# Altium PCB ccd_bottom.PcbDoc (part 1 of 2) (continued)
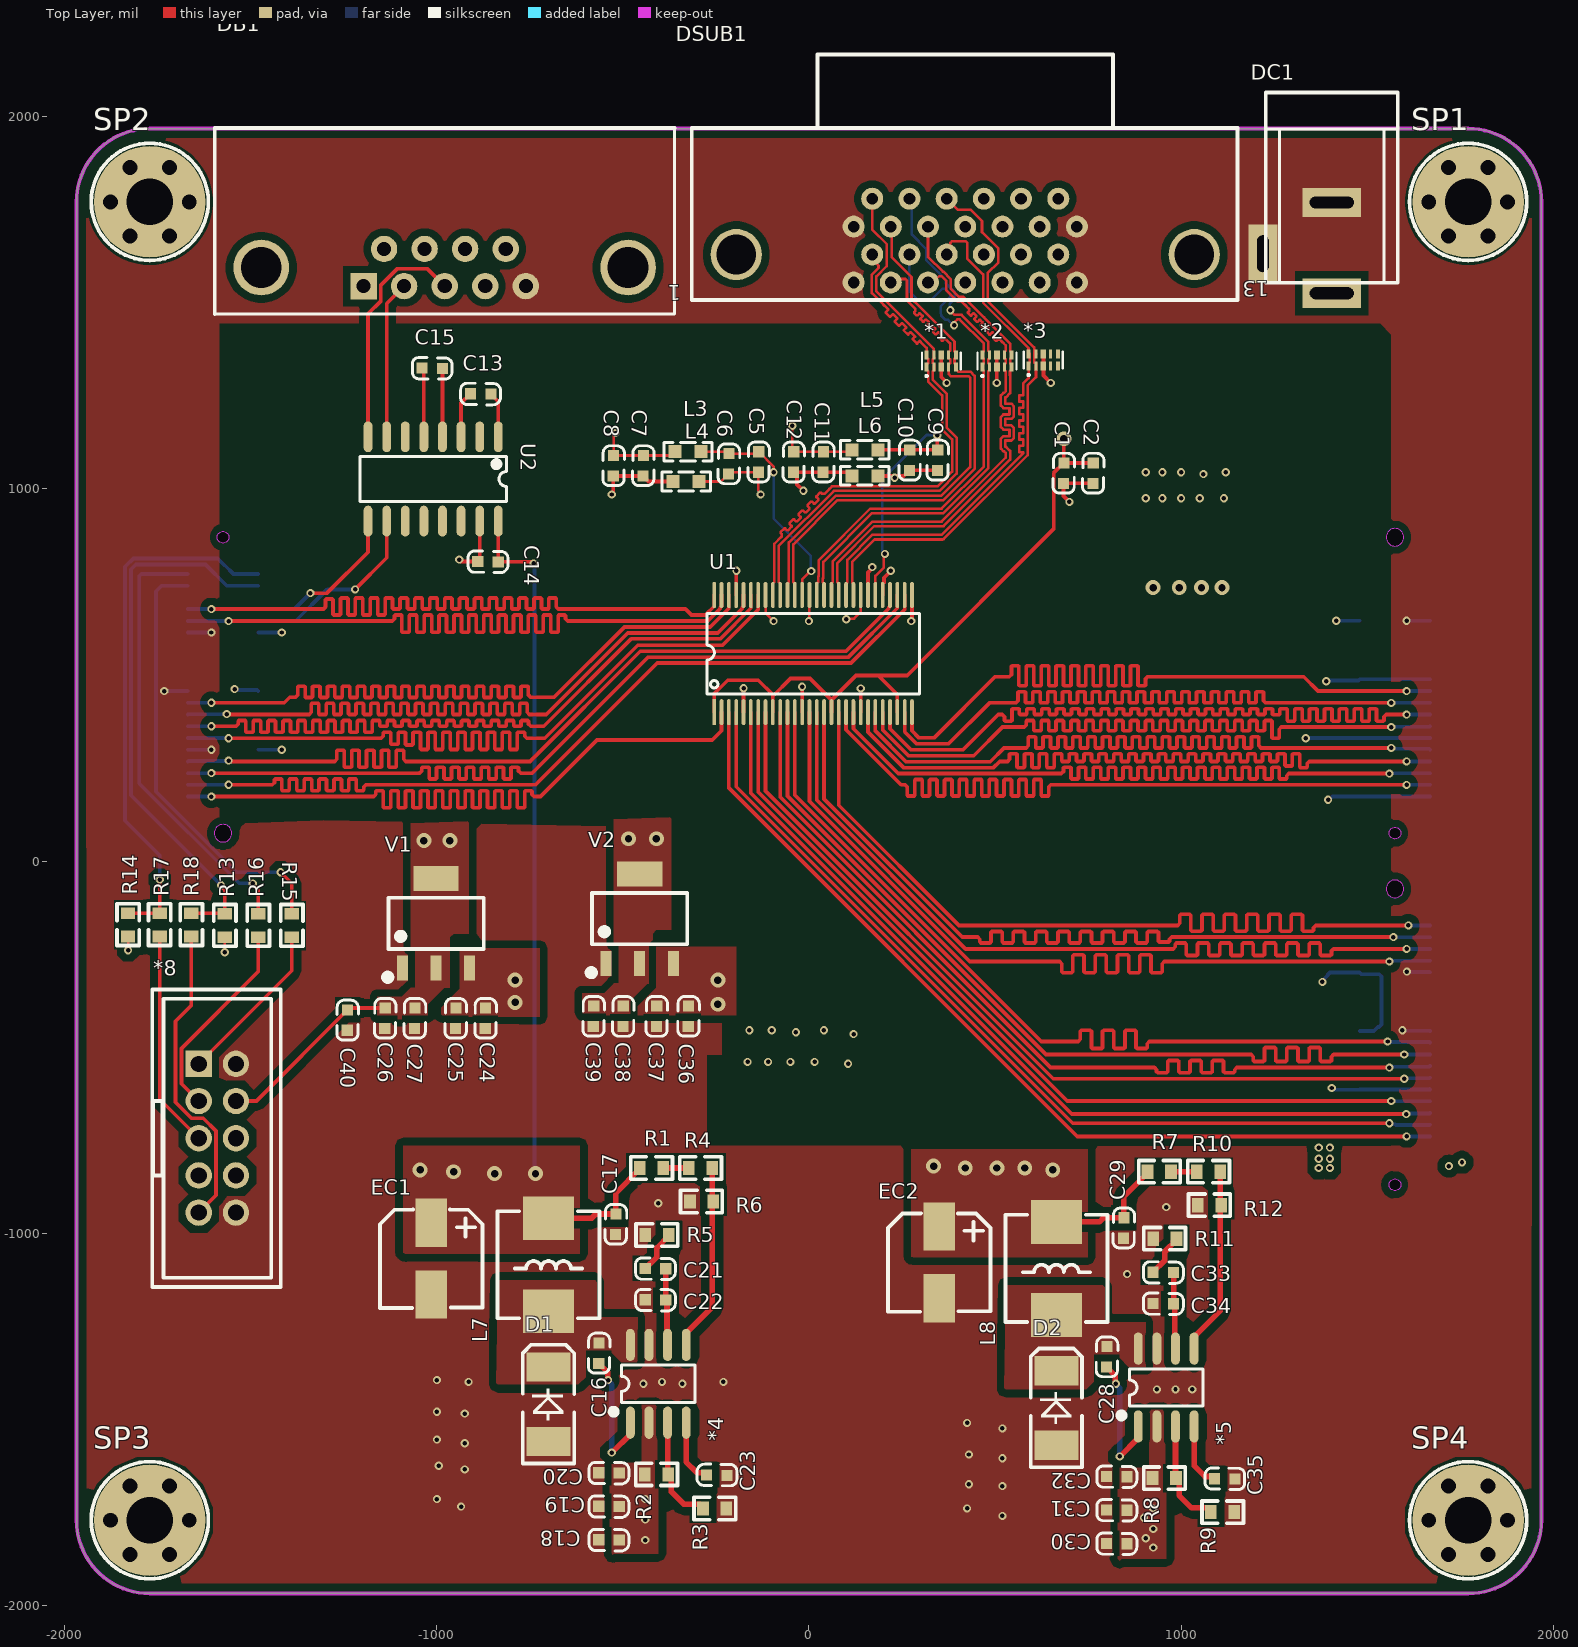
[diagram p0: Top Layer view]
## Footprints (in the part's own frame and the unit in brackets; to place one, negate y for a bottom-side part, rotate by r counter-clockwise, add the part's x,y. Pads: shape width x height; smd on the part's side, far side on the other; paste and mask are expansions set on the pad)
0603C [mil]
  rect 30x30 smd: 1(0.21,-0.35) 2(55.21,-1.35)
  silkscreen extent -26,-30 81,28, body extent -1,-15 62,17, height 12
0603L [mil] "小功率贴片电感"
  rect 35x35 smd: 1(0,0) 2(70,0)
  silkscreen extent -30,-25 100,25, body extent 4,-16 66,15, height 31
0603R [mm]
  rect 0.8x0.965 smd: 1(0,0) 2(1.6,0)
  silkscreen extent -0.64,-0.76 2.21,0.76, body extent -0.04,-0.41 1.56,0.41, height 0.45
BTB-08-40-M-H1.0 [mm] "BTB 母座，0.8mm间距"
  rect 0.5x2.4 smd mask+0.051: 1(-7.6,-2.4) 2(-7.6,2.4) 3(-6.8,-2.4) 4(-6.8,2.4) 5(-6,-2.4) 6(-6,2.4) 7(-5.2,-2.4) 8(-5.2,2.4) 9(-4.4,-2.4) 10(-4.4,2.4) 11(-3.6,-2.4) 12(-3.6,2.4) 13(-2.8,-2.4) 14(-2.8,2.4) 15(-2,-2.4) 16(-2,2.4) 17(-1.2,-2.4) 18(-1.2,2.4) 19(-0.4,-2.4) 20(-0.4,2.4) 21(0.4,-2.4) 22(0.4,2.4) 23(1.2,-2.4) 24(1.2,2.4) 25(2,-2.4) 26(2,2.4) 27(2.8,-2.4) 28(2.8,2.4) 29(3.6,-2.4) 30(3.6,2.4) 31(4.4,-2.4) 32(4.4,2.4) 33(5.2,-2.4) 34(5.2,2.4) 35(6,-2.4) 36(6,2.4) 37(6.8,-2.4) 38(6.8,2.4) 39(7.6,-2.4) 40(7.6,2.4)
  Keep-Out Layer board cut-out: 9.7,0 9.73,-0.153 9.817,-0.283 9.947,-0.37 10.1,-0.4 10.1,-0.4 10.253,-0.37 10.383,-0.283 10.469,-0.153 10.5,0 10.5,0 10.469,0.153 10.383,0.283 10.253,0.369 10.1,0.4 10.1,0.4 9.947,0.369 9.817,0.283 9.73,0.153 9.7,0
  Keep-Out Layer board cut-out: -10.1,-0.6 -10.33,-0.554 -10.524,-0.424 -10.654,-0.23 -10.7,0 -10.7,0 -10.654,0.229 -10.524,0.424 -10.33,0.554 -10.1,0.6 -10.1,0.6 -9.87,0.554 -9.676,0.424 -9.546,0.229 -9.5,0 -9.5,0 -9.546,-0.23 -9.676,-0.424 -9.87,-0.554 -10.1,-0.6
  silkscreen extent -10.9,-3.63 10.9,3, body extent -10.9,-2.92 10.9,3.08, height 3.85
DB9/F/90 [mm]
  rect 1.8x1.8 hole 0.965: 1(0,0)
  round 1.8 hole 0.965: 2(-2.769,0) 3(-5.537,0) 4(-8.306,0) 5(-11.074,0) 6(-1.397,-2.54) 7(-4.166,-2.54) 8(-6.934,-2.54) 9(-9.703,-2.54)
  round 3.8 hole 2.794: ""(-18.059,-1.27) ""(6.985,-1.27)
  silkscreen extent -21.23,-10.8 10.16,1.91, body extent -21.15,-16.63 10.16,1.77, height 12.55
DC-005 [mm] "5.5X2.1mm"
  rect 2x4 hole 0.8 slot 3 at 90 deg: 1(0,0) 2(6.2,0)
  rect 4x2 hole 0.8 slot 2.5 at 0 deg: 3(2.7,4.7)
  silkscreen extent 0.72,-4.5 13.7,4.5, body extent -0.4,-4.52 13.65,4.78, height 11.2
DFN-10 [mil]
  rect 11x23.8 smd mask+2: 1(-39.4,-16.3) 5(39.4,-16.3) 6(39.4,16.3) 10(-39.4,16.3)
  rect 7.9x23.8 smd mask+2: 2(-19.7,-16.3) 4(19.7,-16.3) 7(19.7,16.3) 9(-19.7,16.3)
  rect 15.7x23.8 smd mask+2: 3(0,-16.3) 8(0,16.3)
  silkscreen extent -52,-43 52,23
JTAG [mil]
  rect 70.9x70.9 hole 43.3 mask+1.97: 1(-200,-50)
  round 70.9 hole 43.3 mask+1.97: 2(-200,50) 3(-100,-50) 4(-100,50) 5(0,-50) 6(0,50) 7(100,-50) 8(100,50) 9(200,-50) 10(200,50)
  silkscreen extent -400,-175 400,170, body extent -406,-173 405,173, height 359
L-SMD-0630 [mm] "一体化成型电感"
  rect 3x3.5 smd: 1(-3.175,0) 2(3.175,0)
  silkscreen extent -3.66,-3.48 3.66,3.48, body extent -3.47,-3.3 3.48,3.3
M3x4_N [mil] "M3铜柱，长：4mm"
  round 40 hole 40: 1(-106,0) 1(-53,-91.8) 1(-53,91.8) 1(53,-91.8) 1(53,91.8) 1(106,0)
  round 300 hole 125: 1(0,0)
  silkscreen extent -157,-157 157,157, body extent -106,-93 106,93, height 159
MDR-26-horizontal [mm] "水平"
  round 1.5 hole 0.8: 1(7.62,2.858) 2(6.35,0.953) 3(5.08,2.858) 4(3.81,0.953) 5(2.54,2.858) 6(1.27,0.953) 7(0,2.857) 8(-1.27,0.952) 9(-2.54,2.857) 10(-3.81,0.952) 11(-5.08,2.857) 12(-6.35,0.952) 13(-7.62,2.857) 14(7.62,-0.952) 15(6.35,-2.857) 16(5.08,-0.952) 17(3.81,-2.857) 18(2.54,-0.952) 19(1.27,-2.857) 20(0,-0.953) 21(-1.27,-2.857) 22(-2.54,-0.953) 23(-3.81,-2.858) 24(-5.08,-0.953) 25(-6.35,-2.858) 26(-7.62,-0.953)
  round 3.5 hole 2.7: 27(-15.63,0.952) 28(15.63,0.953)
  silkscreen extent -18.58,-12.7 18.67,4.06, body extent -18.58,-12.83 18.58,4.02, height 9.79
SMA/DO-214AC [mm] "塑封二极管"
  rect 2x3 smd: A(-0.127,0) K(4.953,0)
  silkscreen extent -1.63,-1.75 6.48,1.75, body extent 0.11,-1.35 4.71,1.35, height 2.4
SMD-EC6.3X6.3X10 [mm]
  rect 3.3x2.132 smd: 1(0.021,0) 2(4.921,0)
  silkscreen extent -0.88,-3.5 5.84,3.5, body extent -1.09,-3.3 5.91,3.3, height 5.4
SOIC-8 [mm]
  oval 2.2x0.6 smd: 1(-2.654,1.905) 2(-2.654,0.635) 3(-2.654,-0.635) 4(-2.654,-1.905) 5(2.654,-1.905) 6(2.654,-0.635) 7(2.654,0.635) 8(2.654,1.905)
  silkscreen extent -2.06,-2.5 1.27,3.2, body extent -3,-2.5 3,2.5, height 1.9
SOP16 [mm]
  oval 2.1x0.6 smd: 1(0.046,0) 2(0.046,-1.27) 3(0.046,-2.54) 4(0.046,-3.81) 5(0.046,-5.08) 6(0.046,-6.35) 7(0.046,-7.62) 8(0.046,-8.89) 9(5.796,-8.89) 10(5.796,-7.62) 11(5.796,-6.35) 12(5.796,-5.08) 13(5.796,-3.81) 14(5.796,-2.54) 15(5.796,-1.27) 16(5.796,0)
  silkscreen extent 1.4,-9.45 4.45,0.56, body extent -0.15,-9.47 5.85,0.53, height 1.9
SOT223_L [mm] "6.4x7x1.6mm(长宽高)"
  rect 0.75x1.7 smd: 1(-2.3,-3.048) 2(0,-3.048) 3(2.3,-3.048)
  rect 3.1x1.7 smd: 2(0,3.048)
  silkscreen extent -3.5,-3.88 3.25,1.75, body extent -3.25,-3.51 3.25,3.51, height 1.65
TSSOP-56 [mil]
  rect 70x10 smd: 1(0,0)
  oval 70x10 smd: 2(0,-19.69) 3(0,-39.37) 4(0,-59.06) 5(0,-78.74) 6(0,-98.43) 7(0,-118.11) 8(0,-137.8) 9(0,-157.48) 10(0,-177.17) 11(0,-196.85) 12(0,-216.54) 13(0,-236.22) 14(0,-255.91) 15(0,-275.59) 16(0,-295.28) 17(0,-314.96) 18(0,-334.65) 19(0,-354.33) 20(0,-374.02) 21(0,-393.7) 22(0,-413.39) 23(0,-433.07) 24(0,-452.76) 25(0,-472.44) 26(0,-492.13) 27(0,-511.81) 28(0,-531.5) 29(314.96,-531.5) 30(314.96,-511.81) 31(314.96,-492.13) 32(314.96,-472.44) 33(314.96,-452.76) 34(314.96,-433.07) 35(314.96,-413.39) 36(314.96,-393.7) 37(314.96,-374.02) 38(314.96,-354.33) 39(314.96,-334.65) 40(314.96,-314.96) 41(314.96,-295.28) 42(314.96,-275.59) 43(314.96,-255.91) 44(314.96,-236.22) 45(314.96,-216.54) 46(314.96,-196.85) 47(314.96,-177.17) 48(314.96,-157.48) 49(314.96,-137.8) 50(314.96,-118.11) 51(314.96,-98.43) 52(314.96,-78.74) 53(314.96,-59.06) 54(314.96,-39.37) 55(314.96,-19.69) 56(314.96,0)
  silkscreen extent 49,-551 266,20, body extent -5,-542 316,12, height 45

## Part data
*1 *2 *3: "瞬态抑制二极管"
*4 *5: "降压型DC-DC"
C1 C2 C5 C6 C7 C8 C9 C10 C11 C12: "无极性电容"
C13 C14 C15 C16 C17 C18 C19 C20 C21 C22 C23 C24 C25 C26 C27 C28 C29 C30 C31 C32 C33 C34 C35 C36 C37 C38 C39 C40: library part CAP, "无极性电容"
D1 D2: library part DIODE, "普通二极管"
DSUB1: library part MDR-26, BOM_JLCPCB Part Class="Extended Part", BOM_Manufacturer=Wcon, BOM_Manufacturer Part=6321-026RDS1MWA02, BOM_Supplier=LCSC, BOM_Supplier Part=C843200, Contributor=LCSC, spicePre=D, spiceSymbolName=6321-026RDS1MWA02
EC1 EC2: library part ECAP, "贴片电解电容"
L3 L4 L5 L6: library part FB, "铁氧体磁珠", Current Rating=200mA, DC Resistance=450mΩ, Impedance @ Frequency=600Ω@100MHz, JLCPCB Part Class="Basic Part", LCSC Part Name="600Ω@100MHz ±25%", Manufacturer=Sunlord(顺络), Tolerance=±25%, Add into BOM=yes, Circuits=1, Convert to PCB=yes, Datasheet=https://atta.szlcsc.com/upload/public/pdf/source/20210830/355EA7C0FAC5394FC0FE3F17C770C20A.pdf, Device=GZ1608D601TF, Manufacturer Part=GZ1608D601TF, Name=GZ1608D601TF, Supplier=LCSC, Supplier Footprint=0603, Supplier Part=C1002, Symbol=GZ1608D601TF
L7 L8: library part L, "INDUCTOR"
R1 R2 R3 R4 R5 R6 R7 R8 R9 R10 R11 R12 R13 R14 R15 R16 R17 R18: library part RES, "电阻"
SP1 SP2 SP3 SP4: library part 铜柱大焊盘, "铜柱", BOM名称=铜柱, 学习资源=https://shop463601444.taobao.com, 版权归属="封装库来自淘宝 ID：黄晶宝石"
U1: "cameralink编码", JLCPCB Part Class="Extended Part", Manufacturer=TI(德州仪器), Add into BOM=yes, Convert to PCB=yes, Datasheet=https://atta.szlcsc.com/upload/public/pdf/source/20181012/C87059_649258B21BE4DAB0D862C5E1E6C719D7.pdf, Device=DS90CR287MTDX/NOPB, LCSC Part Name=DS90CR287MTDX/NOPB, Manufacturer Part=DS90CR287MTDX/NOPB, Name=DS90CR287MTDX/NOPB, Supplier=LCSC, Supplier Footprint=TSSOP-56, Supplier Part=C87059, Symbol=DS90CR287MTDX/NOPB
V1 V2: library part AMS1117, "LDO", BOM名称=稳压芯片, 封装库来自淘宝卖家：黄晶宝石=其他店铺购入的买家，请立即申请退款，本店现金奖励200~1000元

## Via types
v1: diameter 22, hole 12, Top Layer to Bottom Layer, 149 vias
v2: diameter 40, hole 20, Top Layer to Bottom Layer, 22 vias

## Nets (pads, with @x,y where several pads share a name; then routed paths per layer and width w, separated by ;. In a path a pad name is that pad's centre, name@x,y a point inside that pad or via, vN(x,y) a via of type N, cw(c..) or ccw(c..) an arc to the next point about the centre after c; other vN are vias at no path point)
3v3: *8.4 C1.2 C2.2 C7.2 C8.2 C11.2 C12.2 C26.2 C27.2 C40.2 L3.2 L5.2 R13.2 R14.2 U1.1 U1.9 U1.17 U1.26 V1.2 | length 2802.6
  Top Layer w7: v1(-1830,-240) R14.2@-1830,-202.99 ; v1(-1570,-245) R13.2@-1570,-205 ; v1(-520,1150) -525.01,1144.99 C8.2@-525.01,1090 C7.2@-445.01,1090 -370,1090 L3.2@-360,1100 ; v1(-45,1170) -45,1103.99 C12.2@-41.01,1100 C11.2@38.99,1100 110,1100 L5.2@115,1105
  Top Layer w10: *8.4@-1540,-645 -1485,-645 C40.2@-1240,-400 -1235,-395 C26.2@-1139,-395 ; U1.1@-254.65,400.04 -254.65,450.04 -218.59,486.09 -136.09,486.09 -97.17,447.17 U1.9@-97.17,400.04 ; -97.17,442.83 -49.57,490.43 2.87,490.43 U1.17@60.31,432.98 ; U1.17@60.31,400.04 U1.17@60.31,432.98 ; U1.26@237.48,400.04 237.48,447.52 186.17,498.83 ; v2(685,1135) C1.2@685,1070 ; C2.2@763.99,1070 C1.2@685,1070 ; U1.17@60.31,432.98 126.17,498.83 186.17,498.83 ; 186.17,498.83 263.83,498.83 657.5,892.5 657.5,1042.5 C1.2@685,1070
  other v2: -1035,55 -965,55
3v3O: *6.11 *6.13 *6.15 *6.17 C38.2 C39.2 V2.2
  other v1: 905,975 950,975 1000,975 1050,975 1115,975 1060,1040 905,1045 950,1045 1000,1045 1120,1045
  other v2: -485,60 -410,60
+5: *9.22 *9.24 *9.26 *9.28 C14.2 C17.2 C24.2 C25.2 C36.2 C37.2 EC1.1 L7.2 R1.2 U2.16 V1.3 V2.3 | length 2188
  Top Layer w10: U2.16@-835,913.62 C14.2@-835,804 -744,804 v1(-740,800)
  Top Layer w15: L7.2@-700,-960 -584.3,-960 -573.05,-948.75 C17.2@-518.75,-948.75 -518.75,-892 -455,-828.25 R1.2@-455,-825 R1.2@-452.5,-827.5
  Bottom Layer w10: v1(-740,800) -737.7,797.7 -737.7,-837.3 v2(-735,-840)
  other v1: 105,-545 -165,-540 -110,-540 -50,-540 15,-540 120,-465 -35,-460 -160,-455 -100,-455 40,-455
  other v2: -845,-840 -955,-835 -1045,-830 -245,-385 -790,-380 -790,-320 -245,-320
+12: *4.2 *5.2 *9.32 *9.34 *9.36 *9.38 *9.39 *9.40 C18.2 C19.2 C20.2 C30.2 C31.2 C32.2 DC1.1 R2.2 R8.2 | length 1.2
  Bottom Layer w10: v1(1370,-770) v1@1370.83,-770.83
  other v1: 925,-1845 -440,-1825 905,-1820 925,-1795 -440,-1770 900,-1765 925,-1740 -440,-1715 1370,-825 1400,-825 1720,-820 1755,-810 1370,-800 1400,-800 1400,-770
B13_L3_N: *6.33 U1.22 | length 2479.9
  Top Layer w10: U1.22@158.74,400.04 158.74,346.51 254.25,251 496,251 512.72,267.72 525,267.72 533.28,267.72 539.14,273.57 539.14,286 541.14,288 557.14,288 559.14,286 559.14,253 561.14,251 577.14,251 579.14,253 579.14,286 581.14,288 597.14,288 599.14,286 599.14,253 601.14,251 617.14,251 619.14,253 619.14,286 621.14,288 637.14,288 639.14,286 639.14,253 641.14,251 657.14,251 659.14,253 659.14,286 661.14,288 677.14,288 679.14,286 679.14,269.72 681.14,267.72 697.14,267.72 699.14,269.72 699.14,286 701.14,288 717.14,288 719.14,286 719.14,269.72 721.14,267.72 737.14,267.72 739.14,269.72 739.14,286 741.14,288 757.14,288 759.14,286 759.14,269.72 761.14,267.72 777.14,267.72 779.14,269.72 779.14,286 781.14,288 797.14,288 799.14,286 799.14,269.72 801.14,267.72 817.14,267.72 819.14,269.72 819.14,286 821.14,288 837.14,288 839.14,286 839.14,269.72 841.14,267.72 857.14,267.72 859.14,269.72 859.14,286 861.14,288 877.14,288 879.14,286 879.14,269.72 881.14,267.72 897.14,267.72 899.14,269.72 899.14,286 901.14,288 917.14,288 919.14,286 919.14,269.72 921.14,267.72 937.14,267.72 939.14,269.72 939.14,286 941.14,288 957.14,288 959.14,286 959.14,269.72 961.14,267.72 977.14,267.72 979.14,269.72 979.14,286 981.14,288 997.14,288 999.14,286 999.14,269.72 1001.14,267.72 1017.14,267.72 1019.14,269.72 1019.14,286 1021.14,288 1037.14,288 1039.14,286 1039.14,269.72 1041.14,267.72 1057.14,267.72 1059.14,269.72 1059.14,286 1061.14,288 1077.14,288 1079.14,286 1079.14,269.72 1081.14,267.72 1097.14,267.72 1099.14,269.72 1099.14,286 1101.14,288 1117.14,288 1119.14,286 1119.14,269.72 1121.14,267.72 1137.14,267.72 1139.14,269.72 1139.14,286 1141.14,288 1157.14,288 1159.14,286 1159.14,269.72 1161.14,267.72 1177.14,267.72 1179.14,269.72 1179.14,286 1181.14,288 1197.14,288 1199.14,286 1199.14,269.72 1201.14,267.72 1217.14,267.72 1219.14,269.72 1219.14,286 1221.14,288 1237.14,288 1239.14,286 1239.14,269.72 1241.14,267.72 1257.14,267.72 1259.14,269.72 1259.14,286 1261.14,288 1277.14,288 1279.14,286 1279.14,257.28 1281.14,255.28 1297.14,255.28 1299.14,257.28 1299.14,286 1301.14,288 1317.14,288 1319.14,286 1319.14,253 1321.14,251 1337.14,251 1339.14,253 1339.14,261.86 1345,267.72 1350,267.72 v1(1606.05,267.72)
  Bottom Layer w10: v1(1606.05,267.72) 1615.3,267.72 *6.33@1669.29,267.72
B13_L3_P: *6.31 U1.23 | length 2473.4
  Top Layer w10: U1.23@178.43,400.04 178.43,349.46 260.88,267 487,267 524,304 550,304 583.28,304 589.14,309.86 589.14,332 591.14,334 607.14,334 609.14,332 609.14,306 611.14,304 627.14,304 629.14,306 629.14,332 631.14,334 647.14,334 649.14,332 649.14,306 651.14,304 667.14,304 669.14,306 669.14,332 671.14,334 687.14,334 689.14,332 689.14,306 691.14,304 707.14,304 709.14,306 709.14,332 711.14,334 727.14,334 729.14,332 729.14,306 731.14,304 747.14,304 749.14,306 749.14,332 751.14,334 767.14,334 769.14,332 769.14,306 771.14,304 787.14,304 789.14,306 789.14,332 791.14,334 807.14,334 809.14,332 809.14,306 811.14,304 827.14,304 829.14,306 829.14,332 831.14,334 847.14,334 849.14,332 849.14,306 851.14,304 867.14,304 869.14,306 869.14,332 871.14,334 887.14,334 889.14,332 889.14,306 891.14,304 907.14,304 909.14,306 909.14,332 911.14,334 927.14,334 929.14,332 929.14,306 931.14,304 947.14,304 949.14,306 949.14,332 951.14,334 967.14,334 969.14,332 969.14,306 971.14,304 987.14,304 989.14,306 989.14,332 991.14,334 1007.14,334 1009.14,332 1009.14,306 1011.14,304 1027.14,304 1029.14,306 1029.14,332 1031.14,334 1047.14,334 1049.14,332 1049.14,306 1051.14,304 1067.14,304 1069.14,306 1069.14,332 1071.14,334 1087.14,334 1089.14,332 1089.14,306 1091.14,304 1107.14,304 1109.14,306 1109.14,332 1111.14,334 1127.14,334 1129.14,332 1129.14,306 1131.14,304 1147.14,304 1149.14,306 1149.14,332 1151.14,334 1167.14,334 1169.14,332 1169.14,306 1171.14,304 1187.14,304 1189.14,306 1189.14,332 1191.14,334 1207.14,334 1209.14,332 1209.14,309.86 1215,304 1240,304 v1(1565,304)
  Bottom Layer w10: v1(1565,304) 1567.3,301.7 1666.8,301.7 *6.31@1669.29,299.21
B13_L5_N: *6.23 U1.27 | length 2459.8
  Top Layer w10: U1.27@257.16,400.04 257.16,347.1 289.26,315 375,315 485,425 525,425 555.78,425 561.64,430.86 561.64,453 563.64,455 579.64,455 581.64,453 581.64,427 583.64,425 599.64,425 601.64,427 601.64,453 603.64,455 619.64,455 621.64,453 621.64,427 623.64,425 639.64,425 641.64,427 641.64,453 643.64,455 659.64,455 661.64,453 661.64,427 663.64,425 679.64,425 681.64,427 681.64,453 683.64,455 699.64,455 701.64,453 701.64,427 703.64,425 719.64,425 721.64,427 721.64,453 723.64,455 739.64,455 741.64,453 741.64,427 743.64,425 759.64,425 761.64,427 761.64,453 763.64,455 779.64,455 781.64,453 781.64,427 783.64,425 799.64,425 801.64,427 801.64,453 803.64,455 819.64,455 821.64,453 821.64,427 823.64,425 839.64,425 841.64,427 841.64,453 843.64,455 859.64,455 861.64,453 861.64,427 863.64,425 879.64,425 881.64,427 881.64,453 883.64,455 899.64,455 901.64,453 901.64,427 903.64,425 919.64,425 921.64,427 921.64,453 923.64,455 939.64,455 941.64,453 941.64,427 943.64,425 959.64,425 961.64,427 961.64,453 963.64,455 979.64,455 981.64,453 981.64,427 983.64,425 999.64,425 1001.64,427 1001.64,453 1003.64,455 1019.64,455 1021.64,453 1021.64,427 1023.64,425 1039.64,425 1041.64,427 1041.64,453 1043.64,455 1059.64,455 1061.64,453 1061.64,427 1063.64,425 1079.64,425 1081.64,427 1081.64,453 1083.64,455 1099.64,455 1101.64,453 1101.64,427 1103.64,425 1119.64,425 1121.64,427 1121.64,453 1123.64,455 1139.64,455 1141.64,453 1141.64,427 1143.64,425 1159.64,425 1161.64,427 1161.64,453 1163.64,455 1179.64,455 1181.64,453 1181.64,427 1183.64,425 1199.64,425 1201.64,427 1201.64,453 1203.64,455 1219.64,455 1221.64,453 1221.64,430.86 1227.5,425 1252.5,425 v1(1565,425)
  Bottom Layer w10: v1(1565,425) 1565.1,425.1 1669.19,425.1 *6.23@1669.29,425.2
B13_L5_P: *6.21 U1.28 | length 2457.1
  Top Layer w10: U1.28@276.85,400.04 276.85,350.04 295.89,331 336,331 500,495 525,495 538.28,495 544.14,500.86 544.14,523 546.14,525 562.14,525 564.14,523 564.14,473 566.14,471 582.14,471 584.14,473 584.14,523 586.14,525 602.14,525 604.14,523 604.14,473 606.14,471 622.14,471 624.14,473 624.14,523 626.14,525 642.14,525 644.14,523 644.14,473 646.14,471 662.14,471 664.14,473 664.14,523 666.14,525 682.14,525 684.14,523 684.14,473 686.14,471 702.14,471 704.14,473 704.14,523 706.14,525 722.14,525 724.14,523 724.14,473 726.14,471 742.14,471 744.14,473 744.14,523 746.14,525 762.14,525 764.14,523 764.14,473 766.14,471 782.14,471 784.14,473 784.14,523 786.14,525 802.14,525 804.14,523 804.14,473 806.14,471 822.14,471 824.14,473 824.14,523 826.14,525 842.14,525 844.14,523 844.14,473 846.14,471 862.14,471 864.14,473 864.14,523 866.14,525 882.14,525 884.14,523 884.14,473 886.14,471 902.14,471 904.14,473 904.14,489.14 910,495 915,495 1330,495 1368.31,456.69 v1(1606.05,456.69)
  Bottom Layer w10: v1(1606.05,456.69) *6.21@1669.29,456.69
B13_L7_N: *6.27 U1.24 | length 2475.7
  Top Layer w10: U1.24@198.11,400.04 198.11,352.4 267.51,283 443,283 520,360 570,360 578.28,360 584.14,365.86 584.14,375.7 586.14,377.7 602.14,377.7 604.14,375.7 604.14,352 606.14,350 622.14,350 624.14,352 624.14,375.7 626.14,377.7 642.14,377.7 644.14,375.7 644.14,352 646.14,350 662.14,350 664.14,352 664.14,375.7 666.14,377.7 682.14,377.7 684.14,375.7 684.14,352 686.14,350 702.14,350 704.14,352 704.14,375.7 706.14,377.7 722.14,377.7 724.14,375.7 724.14,352 726.14,350 742.14,350 744.14,352 744.14,375.7 746.14,377.7 762.14,377.7 764.14,375.7 764.14,352 766.14,350 782.14,350 784.14,352 784.14,375.7 786.14,377.7 802.14,377.7 804.14,375.7 804.14,352 806.14,350 822.14,350 824.14,352 824.14,375.7 826.14,377.7 842.14,377.7 844.14,375.7 844.14,352 846.14,350 862.14,350 864.14,352 864.14,375.7 866.14,377.7 882.14,377.7 884.14,375.7 884.14,352 886.14,350 902.14,350 904.14,352 904.14,375.7 906.14,377.7 922.14,377.7 924.14,375.7 924.14,352 926.14,350 942.14,350 944.14,352 944.14,375.7 946.14,377.7 962.14,377.7 964.14,375.7 964.14,352 966.14,350 982.14,350 984.14,352 984.14,375.7 986.14,377.7 1002.14,377.7 1004.14,375.7 1004.14,352 1006.14,350 1022.14,350 1024.14,352 1024.14,375.7 1026.14,377.7 1042.14,377.7 1044.14,375.7 1044.14,352 1046.14,350 1062.14,350 1064.14,352 1064.14,375.7 1066.14,377.7 1082.14,377.7 1084.14,375.7 1084.14,352 1086.14,350 1102.14,350 1104.14,352 1104.14,375.7 1106.14,377.7 1122.14,377.7 1124.14,375.7 1124.14,352 1126.14,350 1142.14,350 1144.14,352 1144.14,375.7 1146.14,377.7 1162.14,377.7 1164.14,375.7 1164.14,352 1166.14,350 1182.14,350 1184.14,352 1184.14,375.7 1186.14,377.7 1202.14,377.7 1204.14,375.7 1204.14,352 1206.14,350 1222.14,350 1224.14,352 1224.14,375.7 1226.14,377.7 1242.14,377.7 1244.14,375.7 1244.14,332 1246.14,330 1262.14,330 1264.14,332 1264.14,354.14 1270,360 1275,360 v1(1565,360)
  Bottom Layer w10: v1(1565,360) 1566.1,361.1 1668.19,361.1 *6.27@1669.29,362.2
B13_L7_P: *6.25 U1.25 | length 2481.8
  Top Layer w10: U1.25@217.8,400.04 217.8,355.34 274.14,299 414,299 508.7,393.7 519.59,393.7 525.45,387.84 525.45,378 527.45,376 543.45,376 545.45,378 545.45,407 547.45,409 563.45,409 565.45,407 565.45,395.69 567.45,393.69 583.45,393.69 585.45,395.69 585.45,407 587.45,409 603.45,409 605.45,407 605.45,395.69 607.45,393.69 623.45,393.69 625.45,395.69 625.45,407 627.45,409 643.45,409 645.45,407 645.45,395.69 647.45,393.69 663.45,393.69 665.45,395.69 665.45,407 667.45,409 683.45,409 685.45,407 685.45,395.69 687.45,393.69 703.45,393.69 705.45,395.69 705.45,407 707.45,409 723.45,409 725.45,407 725.45,395.69 727.45,393.69 743.45,393.69 745.45,395.69 745.45,407 747.45,409 763.45,409 765.45,407 765.45,395.69 767.45,393.69 783.45,393.69 785.45,395.69 785.45,407 787.45,409 803.45,409 805.45,407 805.45,395.69 807.45,393.69 823.45,393.69 825.45,395.69 825.45,407 827.45,409 843.45,409 845.45,407 845.45,395.69 847.45,393.69 863.45,393.69 865.45,395.69 865.45,407 867.45,409 883.45,409 885.45,407 885.45,395.69 887.45,393.69 903.45,393.69 905.45,395.69 905.45,407 907.45,409 923.45,409 925.45,407 925.45,395.69 927.45,393.69 943.45,393.69 945.45,395.69 945.45,407 947.45,409 963.45,409 965.45,407 965.45,395.69 967.45,393.69 983.45,393.69 985.45,395.69 985.45,407 987.45,409 1003.45,409 1005.45,407 1005.45,395.69 1007.45,393.69 1023.45,393.69 1025.45,395.69 1025.45,407 1027.45,409 1043.45,409 1045.45,407 1045.45,395.69 1047.45,393.69 1063.45,393.69 1065.45,395.69 1065.45,407 1067.45,409 1083.45,409 1085.45,407 1085.45,395.69 1087.45,393.69 1103.45,393.69 1105.45,395.69 1105.45,407 1107.45,409 1123.45,409 1125.45,407 1125.45,395.69 1127.45,393.69 1143.45,393.69 1145.45,395.69 1145.45,407 1147.45,409 1163.45,409 1165.45,407 1165.45,395.69 1167.45,393.69 1183.45,393.69 1185.45,395.69 1185.45,407 1187.45,409 1203.45,409 1205.45,407 1205.45,395.69 1207.45,393.69 1223.45,393.69 1225.45,395.69 1225.45,407 1227.45,409 1243.45,409 1245.45,407 1245.45,395.35 1247.45,393.35 1263.45,393.35 1265.45,395.35 1265.45,407 1267.45,409 1283.45,409 1285.45,407 1285.45,378 1287.45,376 1303.45,376 1305.45,378 1305.45,407 1307.45,409 1323.45,409 1325.45,407 1325.45,378 1327.45,376 1343.45,376 1345.45,378 1345.45,407 1347.45,409 1363.45,409 1365.45,407 1365.45,378 1367.45,376 1383.45,376 1385.45,378 1385.45,407 1387.45,409 1403.45,409 1405.45,407 1405.45,378 1407.45,376 1423.45,376 1425.45,378 1425.45,407 1427.45,409 1443.45,409 1445.45,407 1445.45,378 1447.45,376 1463.45,376 1465.45,378 1465.45,407 1467.45,409 1483.45,409 1485.45,407 1485.45,378 1487.45,376 1503.45,376 1505.45,378 1505.45,407 1507.45,409 1523.45,409 1525.45,407 1525.45,378 1527.45,376 1543.45,376 1545.45,378 1545.45,387.84 1551.31,393.7 1556.31,393.7 v1(1606.05,393.7)
  Bottom Layer w10: v1(1606.05,393.7) *6.25@1669.29,393.7
B15_L14_N: *7.13 U1.51 | length 2493.5
  Top Layer w10: v1(-1606.05,362.2) -1544.57,362.2 -1539.57,362.2 -1533.71,368.06 -1533.71,375.7 -1531.71,377.7 -1515.71,377.7 -1513.71,375.7 -1513.71,348 -1511.71,346 -1495.71,346 -1493.71,348 -1493.71,375.7 -1491.71,377.7 -1475.71,377.7 -1473.71,375.7 -1473.71,348 -1471.71,346 -1455.71,346 -1453.71,348 -1453.71,375.7 -1451.71,377.7 -1435.71,377.7 -1433.71,375.7 -1433.71,348 -1431.71,346 -1415.71,346 -1413.71,348 -1413.71,375.7 -1411.71,377.7 -1395.71,377.7 -1393.71,375.7 -1393.71,348 -1391.71,346 -1375.71,346 -1373.71,348 -1373.71,375.7 -1371.71,377.7 -1355.71,377.7 -1353.71,375.7 -1353.71,348 -1351.71,346 -1335.71,346 -1333.71,348 -1333.71,375.7 -1331.71,377.7 -1315.71,377.7 -1313.71,375.7 -1313.71,348 -1311.71,346 -1295.71,346 -1293.71,348 -1293.71,375.7 -1291.71,377.7 -1275.71,377.7 -1273.71,375.7 -1273.71,348 -1271.71,346 -1255.71,346 -1253.71,348 -1253.71,375.7 -1251.71,377.7 -1235.71,377.7 -1233.71,375.7 -1233.71,348 -1231.71,346 -1215.71,346 -1213.71,348 -1213.71,375.7 -1211.71,377.7 -1195.71,377.7 -1193.71,375.7 -1193.71,348 -1191.71,346 -1175.71,346 -1173.71,348 -1173.71,375.7 -1171.71,377.7 -1155.71,377.7 -1153.71,375.7 -1153.71,364.2 -1151.71,362.2 -1135.71,362.2 -1133.71,364.2 -1133.71,375.7 -1131.71,377.7 -1115.71,377.7 -1113.71,375.7 -1113.71,364.2 -1111.71,362.2 -1095.71,362.2 -1093.71,364.2 -1093.71,375.7 -1091.71,377.7 -1075.71,377.7 -1073.71,375.7 -1073.71,364.2 -1071.71,362.2 -1055.71,362.2 -1053.71,364.2 -1053.71,375.7 -1051.71,377.7 -1035.71,377.7 -1033.71,375.7 -1033.71,364.2 -1031.71,362.2 -1015.71,362.2 -1013.71,364.2 -1013.71,375.7 -1011.71,377.7 -995.71,377.7 -993.71,375.7 -993.71,364.2 -991.71,362.2 -975.71,362.2 -973.71,364.2 -973.71,375.7 -971.71,377.7 -955.71,377.7 -953.71,375.7 -953.71,364.2 -951.71,362.2 -935.71,362.2 -933.71,364.2 -933.71,375.7 -931.71,377.7 -915.71,377.7 -913.71,375.7 -913.71,364.2 -911.71,362.2 -895.71,362.2 -893.71,364.2 -893.71,375.7 -891.71,377.7 -875.71,377.7 -873.71,375.7 -873.71,364.2 -871.71,362.2 -855.71,362.2 -853.71,364.2 -853.71,375.7 -851.71,377.7 -835.71,377.7 -833.71,375.7 -833.71,364.2 -831.71,362.2 -815.71,362.2 -813.71,364.2 -813.71,375.7 -811.71,377.7 -795.71,377.7 -793.71,375.7 -793.71,364.2 -791.71,362.2 -775.71,362.2 -773.71,364.2 -773.71,375.7 -771.71,377.7 -755.71,377.7 -753.71,375.7 -753.71,368.06 -747.85,362.2 -735,362.2 -712.8,362.2 -478,597 -238.34,597 -156.22,679.12 U1.51@-156.22,715
  Bottom Layer w10: *7.13@-1669.29,362.2 v1(-1606.05,362.2)
B15_L14_P: *7.11 U1.50 | length 2476.3
  Top Layer w10: v1(-1560,330) -1155,330 -1150,330 -1144.14,335.86 -1144.14,344.2 -1142.14,346.2 -1126.14,346.2 -1124.14,344.2 -1124.14,315.71 -1122.14,313.71 -1106.14,313.71 -1104.14,315.71 -1104.14,344.2 -1102.14,346.2 -1086.14,346.2 -1084.14,344.2 -1084.14,314.1 -1082.14,312.1 -1066.14,312.1 -1064.14,314.1 -1064.14,344.2 -1062.14,346.2 -1046.14,346.2 -1044.14,344.2 -1044.14,302 -1042.14,300 -1026.14,300 -1024.14,302 -1024.14,344.2 -1022.14,346.2 -1006.14,346.2 -1004.14,344.2 -1004.14,302 -1002.14,300 -986.14,300 -984.14,302 -984.14,344.2 -982.14,346.2 -966.14,346.2 -964.14,344.2 -964.14,302 -962.14,300 -946.14,300 -944.14,302 -944.14,344.2 -942.14,346.2 -926.14,346.2 -924.14,344.2 -924.14,302 -922.14,300 -906.14,300 -904.14,302 -904.14,344.2 -902.14,346.2 -886.14,346.2 -884.14,344.2 -884.14,302 -882.14,300 -866.14,300 -864.14,302 -864.14,344.2 -862.14,346.2 -846.14,346.2 -844.14,344.2 -844.14,302 -842.14,300 -826.14,300 -824.14,302 -824.14,344.2 -822.14,346.2 -806.14,346.2 -804.14,344.2 -804.14,302 -802.14,300 -786.14,300 -784.14,302 -784.14,344.2 -782.14,346.2 -766.14,346.2 -764.14,344.2 -764.14,335.86 -758.28,330 -750,330 -710,330 -460,580 -232.71,580 -136.54,676.17 U1.50@-136.54,715
  Bottom Layer w10: *7.11@-1669.29,330.71 -1668.94,330.35 -1560.35,330.35 v1(-1560,330)
B15_L16_N: *7.34 U2.9 | length 442.2
  Top Layer w10: v1(-1340,720) -1295,720 -1185,830 U2.9@-1185,913.62
  Bottom Layer w10: *7.34@-1480.31,677.17 -1382.83,677.17 v1(-1340,720)
B15_L16_P: *7.32 U2.10 | length 514.1
  Top Layer w10: v1(-1220,730) -1135,815 U2.10@-1135,913.62
  Bottom Layer w10: *7.32@-1480.31,645.67 -1379.33,645.67 -1295,730 v1(-1220,730)
B15_L19_N: *7.3 U1.30 | length 2497.7
  Top Layer w10: v1(-1560,205) -1559.72,204.72 -1447.5,204.72 -1442.5,204.72 -1436.64,210.58 -1436.64,218.22 -1434.64,220.22 -1418.64,220.22 -1416.64,218.22 -1416.64,191.23 -1414.64,189.23 -1398.64,189.23 -1396.64,191.23 -1396.64,218.22 -1394.64,220.22 -1378.64,220.22 -1376.64,218.22 -1376.64,191.23 -1374.64,189.23 -1358.64,189.23 -1356.64,191.23 -1356.64,218.22 -1354.64,220.22 -1338.64,220.22 -1336.64,218.22 -1336.64,191.23 -1334.64,189.23 -1318.64,189.23 -1316.64,191.23 -1316.64,218.22 -1314.64,220.22 -1298.64,220.22 -1296.64,218.22 -1296.64,191.23 -1294.64,189.23 -1278.64,189.23 -1276.64,191.23 -1276.64,218.22 -1274.64,220.22 -1258.64,220.22 -1256.64,218.22 -1256.64,191.23 -1254.64,189.23 -1238.64,189.23 -1236.64,191.23 -1236.64,218.22 -1234.64,220.22 -1218.64,220.22 -1216.64,218.22 -1216.64,191.23 -1214.64,189.23 -1198.64,189.23 -1196.64,191.23 -1196.64,198.86 -1190.78,204.72 -1185,204.72 -735.28,204.72 -408,532 112.99,532 257.16,676.17 U1.30@257.16,715
  Bottom Layer w10: *7.3@-1669.29,204.72 -1669.15,204.86 -1560.14,204.86 v1(-1560,205)
B15_L19_P: *7.1 U1.2 | length 2442.4
  Top Layer w10: v1(-1606.05,173.23) -1175,173.23 -1170,173.23 -1164.14,179.08 -1164.14,186.72 -1162.14,188.72 -1146.14,188.72 -1144.14,186.72 -1144.14,145.23 -1142.14,143.23 -1126.14,143.23 -1124.14,145.23 -1124.14,186.72 -1122.14,188.72 -1106.14,188.72 -1104.14,186.72 -1104.14,145.23 -1102.14,143.23 -1086.14,143.23 -1084.14,145.23 -1084.14,186.72 -1082.14,188.72 -1066.14,188.72 -1064.14,186.72 -1064.14,145.23 -1062.14,143.23 -1046.14,143.23 -1044.14,145.23 -1044.14,186.72 -1042.14,188.72 -1026.14,188.72 -1024.14,186.72 -1024.14,145.23 -1022.14,143.23 -1006.14,143.23 -1004.14,145.23 -1004.14,186.72 -1002.14,188.72 -986.14,188.72 -984.14,186.72 -984.14,145.23 -982.14,143.23 -966.14,143.23 -964.14,145.23 -964.14,186.72 -962.14,188.72 -946.14,188.72 -944.14,186.72 -944.14,145.23 -942.14,143.23 -926.14,143.23 -924.14,145.23 -924.14,186.72 -922.14,188.72 -906.14,188.72 -904.14,186.72 -904.14,145.23 -902.14,143.23 -886.14,143.23 -884.14,145.23 -884.14,186.72 -882.14,188.72 -866.14,188.72 -864.14,186.72 -864.14,145.23 -862.14,143.23 -846.14,143.23 -844.14,145.23 -844.14,186.72 -842.14,188.72 -826.14,188.72 -824.14,186.72 -824.14,145.23 -822.14,143.23 -806.14,143.23 -804.14,145.23 -804.14,186.72 -802.14,188.72 -786.14,188.72 -784.14,186.72 -784.14,145.23 -782.14,143.23 -766.14,143.23 -764.14,145.23 -764.14,186.72 -762.14,188.72 -746.14,188.72 -744.14,186.72 -744.14,179.08 -738.28,173.23 -721.77,173.23 -717.63,177.37 -570,325 -260,325 -234.96,350.04 U1.2@-234.96,400.04
  Bottom Layer w10: *7.1@-1669.29,173.23 v1(-1606.05,173.23)
B15_L20_N: *7.7 U1.32 | length 2489.6
  Top Layer w10: v1(-1560,270) -1557.71,267.71 -1280,267.71 -1275,267.71 -1269.14,273.57 -1269.14,295.71 -1267.14,297.71 -1251.14,297.71 -1249.14,295.71 -1249.14,254.22 -1247.14,252.22 -1231.14,252.22 -1229.14,254.22 -1229.14,295.71 -1227.14,297.71 -1211.14,297.71 -1209.14,295.71 -1209.14,254.22 -1207.14,252.22 -1191.14,252.22 -1189.14,254.22 -1189.14,295.71 -1187.14,297.71 -1171.14,297.71 -1169.14,295.71 -1169.14,254.22 -1167.14,252.22 -1151.14,252.22 -1149.14,254.22 -1149.14,295.71 -1147.14,297.71 -1131.14,297.71 -1129.14,295.71 -1129.14,254.22 -1127.14,252.22 -1111.14,252.22 -1109.14,254.22 -1109.14,295.71 -1107.14,297.71 -1091.14,297.71 -1089.14,295.71 -1089.14,273.57 -1083.28,267.71 -1070,267.71 -749.66,267.71 -453.37,564 99.74,564 214.11,678.37 214.11,681.31 217.8,685 U1.32@217.8,715
  Bottom Layer w10: *7.7@-1669.29,267.71 -1668.15,268.86 -1561.14,268.86 v1(-1560,270)
B15_L20_P: *7.5 U1.31 | length 2491.7
  Top Layer w10: v1(-1606.05,236.22) -1051.64,236.22 -1046.64,236.22 -1040.78,242.08 -1040.78,249.71 -1038.78,251.71 -1022.78,251.71 -1020.78,249.71 -1020.78,222.72 -1018.78,220.72 -1002.78,220.72 -1000.78,222.72 -1000.78,249.71 -998.78,251.71 -982.78,251.71 -980.78,249.71 -980.78,222.72 -978.78,220.72 -962.78,220.72 -960.78,222.72 -960.78,249.71 -958.78,251.71 -942.78,251.71 -940.78,249.71 -940.78,222.72 -938.78,220.72 -922.78,220.72 -920.78,222.72 -920.78,249.71 -918.78,251.71 -902.78,251.71 -900.78,249.71 -900.78,222.72 -898.78,220.72 -882.78,220.72 -880.78,222.72 -880.78,249.71 -878.78,251.71 -862.78,251.71 -860.78,249.71 -860.78,222.72 -858.78,220.72 -842.78,220.72 -840.78,222.72 -840.78,249.71 -838.78,251.71 -822.78,251.71 -820.78,249.71 -820.78,222.72 -818.78,220.72 -802.78,220.72 -800.78,222.72 -800.78,249.71 -798.78,251.71 -782.78,251.71 -780.78,249.71 -780.78,242.08 -774.92,236.22 -765,236.22 -743.78,236.22 -432,548 106.36,548 237.48,679.12 U1.31@237.48,715
  Bottom Layer w10: *7.5@-1669.29,236.22 v1(-1606.05,236.22)
B15_L21_N: *7.17 U1.54 | length 2484.6
  Top Layer w10: v1(-1606.05,425.2) -1410.2,425.2 -1395.39,440 -1385,440 -1380,440 -1374.14,445.86 -1374.14,468 -1372.14,470 -1356.14,470 -1354.14,468 -1354.14,441.7 -1352.14,439.7 -1336.14,439.7 -1334.14,441.7 -1334.14,468 -1332.14,470 -1316.14,470 -1314.14,468 -1314.14,441.7 -1312.14,439.7 -1296.14,439.7 -1294.14,441.7 -1294.14,468 -1292.14,470 -1276.14,470 -1274.14,468 -1274.14,441.7 -1272.14,439.7 -1256.14,439.7 -1254.14,441.7 -1254.14,468 -1252.14,470 -1236.14,470 -1234.14,468 -1234.14,441.7 -1232.14,439.7 -1216.14,439.7 -1214.14,441.7 -1214.14,468 -1212.14,470 -1196.14,470 -1194.14,468 -1194.14,441.7 -1192.14,439.7 -1176.14,439.7 -1174.14,441.7 -1174.14,468 -1172.14,470 -1156.14,470 -1154.14,468 -1154.14,441.7 -1152.14,439.7 -1136.14,439.7 -1134.14,441.7 -1134.14,468 -1132.14,470 -1116.14,470 -1114.14,468 -1114.14,441.7 -1112.14,439.7 -1096.14,439.7 -1094.14,441.7 -1094.14,468 -1092.14,470 -1076.14,470 -1074.14,468 -1074.14,441.7 -1072.14,439.7 -1056.14,439.7 -1054.14,441.7 -1054.14,468 -1052.14,470 -1036.14,470 -1034.14,468 -1034.14,441.7 -1032.14,439.7 -1016.14,439.7 -1014.14,441.7 -1014.14,468 -1012.14,470 -996.14,470 -994.14,468 -994.14,441.7 -992.14,439.7 -976.14,439.7 -974.14,441.7 -974.14,468 -972.14,470 -956.14,470 -954.14,468 -954.14,441.7 -952.14,439.7 -936.14,439.7 -934.14,441.7 -934.14,468 -932.14,470 -916.14,470 -914.14,468 -914.14,441.7 -912.14,439.7 -896.14,439.7 -894.14,441.7 -894.14,468 -892.14,470 -876.14,470 -874.14,468 -874.14,441.7 -872.14,439.7 -856.14,439.7 -854.14,441.7 -854.14,468 -852.14,470 -836.14,470 -834.14,468 -834.14,441.7 -832.14,439.7 -816.14,439.7 -814.14,441.7 -814.14,468 -812.14,470 -796.14,470 -794.14,468 -794.14,441.7 -792.14,439.7 -776.14,439.7 -774.14,441.7 -774.14,468 -772.14,470 -756.14,470 -754.14,468 -754.14,445.86 -748.28,440 -725,440 -685,440 -496,629 -265.39,629 -215.28,679.12 U1.54@-215.28,715
  Bottom Layer w10: *7.17@-1669.29,425.2 v1(-1606.05,425.2)
B15_L21_P: *7.15 U1.52 | length 2472
  Top Layer w10: v1(-1565,395) -1563.7,393.7 -1348.28,393.7 -1343.28,393.7 -1337.43,399.56 -1337.43,421.7 -1335.43,423.7 -1319.43,423.7 -1317.43,421.7 -1317.43,395.7 -1315.43,393.7 -1299.43,393.7 -1297.43,395.7 -1297.43,421.7 -1295.43,423.7 -1279.43,423.7 -1277.43,421.7 -1277.43,395.7 -1275.43,393.7 -1259.43,393.7 -1257.43,395.7 -1257.43,421.7 -1255.43,423.7 -1239.43,423.7 -1237.43,421.7 -1237.43,395.7 -1235.43,393.7 -1219.43,393.7 -1217.43,395.7 -1217.43,421.7 -1215.43,423.7 -1199.43,423.7 -1197.43,421.7 -1197.43,395.7 -1195.43,393.7 -1179.43,393.7 -1177.43,395.7 -1177.43,421.7 -1175.43,423.7 -1159.43,423.7 -1157.43,421.7 -1157.43,395.7 -1155.43,393.7 -1139.43,393.7 -1137.43,395.7 -1137.43,421.7 -1135.43,423.7 -1119.43,423.7 -1117.43,421.7 -1117.43,395.7 -1115.43,393.7 -1099.43,393.7 -1097.43,395.7 -1097.43,421.7 -1095.43,423.7 -1079.43,423.7 -1077.43,421.7 -1077.43,395.7 -1075.43,393.7 -1059.43,393.7 -1057.43,395.7 -1057.43,421.7 -1055.43,423.7 -1039.43,423.7 -1037.43,421.7 -1037.43,395.7 -1035.43,393.7 -1019.43,393.7 -1017.43,395.7 -1017.43,421.7 -1015.43,423.7 -999.43,423.7 -997.43,421.7 -997.43,395.7 -995.43,393.7 -979.43,393.7 -977.43,395.7 -977.43,421.7 -975.43,423.7 -959.43,423.7 -957.43,421.7 -957.43,395.7 -955.43,393.7 -939.43,393.7 -937.43,395.7 -937.43,421.7 -935.43,423.7 -919.43,423.7 -917.43,421.7 -917.43,395.7 -915.43,393.7 -899.43,393.7 -897.43,395.7 -897.43,421.7 -895.43,423.7 -879.43,423.7 -877.43,421.7 -877.43,395.7 -875.43,393.7 -859.43,393.7 -857.43,395.7 -857.43,421.7 -855.43,423.7 -839.43,423.7 -837.43,421.7 -837.43,395.7 -835.43,393.7 -819.43,393.7 -817.43,395.7 -817.43,421.7 -815.43,423.7 -799.43,423.7 -797.43,421.7 -797.43,395.7 -795.43,393.7 -779.43,393.7 -777.43,395.7 -777.43,421.7 -775.43,423.7 -759.43,423.7 -757.43,421.7 -757.43,399.56 -751.57,393.7 -725,393.7 -706.3,393.7 -487,613 -244.96,613 -179.59,678.37 -179.59,681.31 -175.91,685 U1.52@-175.91,715
  Bottom Layer w10: *7.15@-1669.29,393.7 -1668.64,394.35 -1565.65,394.35 v1(-1565,395)
B15_L24_N: *7.33 U1.56 | length 2464.8
  Top Layer w10: v1(-1606.05,677.17) -1310,677.17 -1305,677.17 -1299.14,683.02 -1299.14,702 -1297.14,704 -1281.14,704 -1279.14,702 -1279.14,663 -1277.14,661 -1261.14,661 -1259.14,663 -1259.14,705.17 -1257.14,707.17 -1241.14,707.17 -1239.14,705.17 -1239.14,663 -1237.14,661 -1221.14,661 -1219.14,663 -1219.14,705.17 -1217.14,707.17 -1201.14,707.17 -1199.14,705.17 -1199.14,663 -1197.14,661 -1181.14,661 -1179.14,663 -1179.14,705.17 -1177.14,707.17 -1161.14,707.17 -1159.14,705.17 -1159.14,663 -1157.14,661 -1141.14,661 -1139.14,663 -1139.14,705.17 -1137.14,707.17 -1121.14,707.17 -1119.14,705.17 -1119.14,679.17 -1117.14,677.17 -1101.14,677.17 -1099.14,679.17 -1099.14,705.17 -1097.14,707.17 -1081.14,707.17 -1079.14,705.17 -1079.14,679.17 -1077.14,677.17 -1061.14,677.17 -1059.14,679.17 -1059.14,705.17 -1057.14,707.17 -1041.14,707.17 -1039.14,705.17 -1039.14,679.17 -1037.14,677.17 -1021.14,677.17 -1019.14,679.17 -1019.14,705.17 -1017.14,707.17 -1001.14,707.17 -999.14,705.17 -999.14,679.17 -997.14,677.17 -981.14,677.17 -979.14,679.17 -979.14,705.17 -977.14,707.17 -961.14,707.17 -959.14,705.17 -959.14,679.17 -957.14,677.17 -941.14,677.17 -939.14,679.17 -939.14,705.17 -937.14,707.17 -921.14,707.17 -919.14,705.17 -919.14,679.17 -917.14,677.17 -901.14,677.17 -899.14,679.17 -899.14,705.17 -897.14,707.17 -881.14,707.17 -879.14,705.17 -879.14,679.17 -877.14,677.17 -861.14,677.17 -859.14,679.17 -859.14,705.17 -857.14,707.17 -841.14,707.17 -839.14,705.17 -839.14,679.17 -837.14,677.17 -821.14,677.17 -819.14,679.17 -819.14,705.17 -817.14,707.17 -801.14,707.17 -799.14,705.17 -799.14,679.17 -797.14,677.17 -781.14,677.17 -779.14,679.17 -779.14,705.17 -777.14,707.17 -761.14,707.17 -759.14,705.17 -759.14,679.17 -757.14,677.17 -741.14,677.17 -739.14,679.17 -739.14,705.17 -737.14,707.17 -721.14,707.17 -719.14,705.17 -719.14,679.17 -717.14,677.17 -701.14,677.17 -699.14,679.17 -699.14,705.17 -697.14,707.17 -681.14,707.17 -679.14,705.17 -679.14,683.02 -673.28,677.17 -640,677.17 -332.17,677.17 -316,661 -278.65,661 -254.65,685 U1.56@-254.65,715
  Bottom Layer w10: *7.33@-1669.29,677.17 v1(-1606.05,677.17)